# KiCad board hotdoggu_smolSlimeVR.kicad_pcb
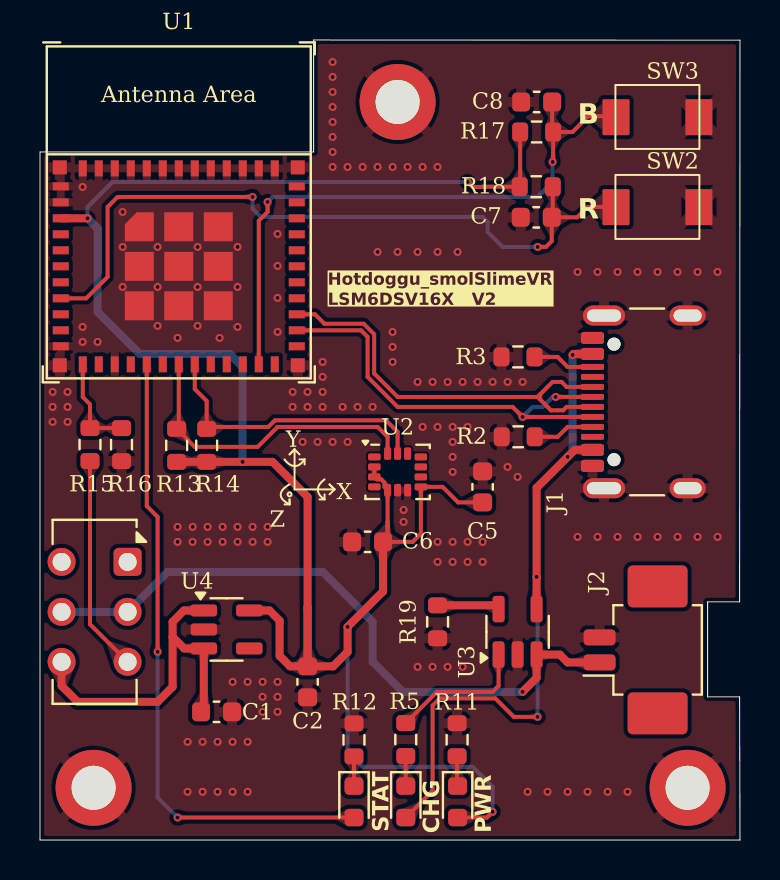
[diagram p0: board, top side]
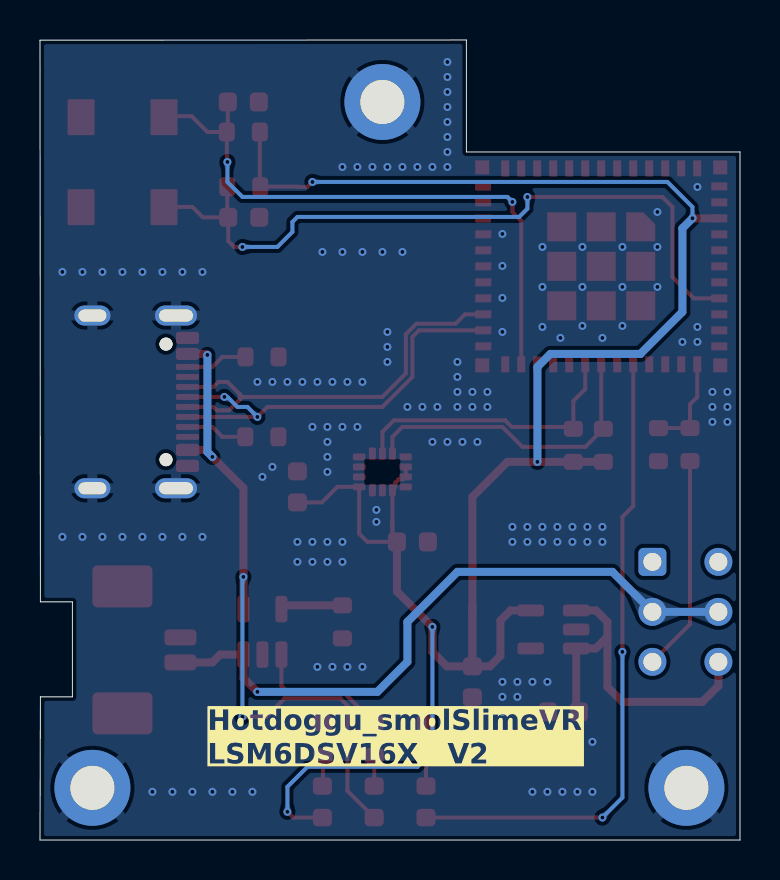
[diagram p1: board, bottom side, seen from below]

Outline 35 x 40.01 mm; copper layers: Top, Bottom. Coordinates in mm from the lower left corner of the outline.
Outline path: 0,0 0,34.41 13.68,34.41 13.68,40.01 35,40 34.98,11.91 33.38,11.91 33.38,7.16 34.98,7.16 35,0 0,0
Stack: Top 0.035mm / dielectric 1.51mm FR4 er 4.5 / Bottom 0.035mm

## Placement (name value [footprint] x y rotation side)
C1  10uF  [C_0603_1608Metric]  8.83 6.41 0 top
C2  10uF  [C_0603_1608Metric]  13.38 7.91 270 top
C5  100nF  [C_0603_1608Metric]  22.13 17.66 270 top
C6  100nF  [C_0603_1608Metric]  16.38 14.91 180 top
C7  100nF  [C_0603_1608Metric]  24.81 31.14 0 top
C8  100nF  [C_0603_1608Metric]  24.83 36.91 0 top
H1  MountingHole  [MountingHole_2.2mm_M2_DIN965_Pad_TopBottom]  2.68 2.61 0 top
H2  MountingHole  [MountingHole_2.2mm_M2_DIN965_Pad_TopBottom]  17.88 36.91 0 top
H3  MountingHole  [MountingHole_2.2mm_M2_DIN965_Pad_TopBottom]  32.38 2.61 0 top
J1  TYPE-C-31-M-12  [USB_C_Receptacle_GCT_USB4105-xx-A_16P_TopMnt_Horizontal]  31.31 21.91 90 top
J2  53261-0271  [Molex_PicoBlade_53261-0271_1x02-1MP_P1.25mm_Horizontal]  30.38 9.51 90 top
LED1  LED,0603,Red  [LED_0603_1608Metric]  20.88 1.91 270 top
LED2  0603,Yellow  [LED_0603_1608Metric]  18.29 1.91 270 top
LED3  0603,White  [LED_0603_1608Metric]  15.7 1.91 270 top
R2  5.1k, 1%  [R_0603_1608Metric]  23.91 20.17 180 top
R3  5.1k, 1%  [R_0603_1608Metric]  23.9 24.16 180 top
R5  5.1k  [R_0603_1608Metric]  18.29 5.02 270 top
R11  1k  [R_0603_1608Metric]  20.85 5.02 90 top
R12  1k  [R_0603_1608Metric]  15.7 5.01 270 top
R13  10k  [R_0603_1608Metric]  6.83 19.74 270 top
R14  10k  [R_0603_1608Metric]  8.33 19.74 270 top
R15  1k, 1%  [R_0603_1608Metric]  2.5 19.78 270 top
R16  1k, 1%  [R_0603_1608Metric]  4.08 19.77 90 top
R17  10k  [R_0603_1608Metric]  24.83 35.41 180 top
R18  10k  [R_0603_1608Metric]  24.81 32.67 180 top
R19  2k  [R_0603_1608Metric]  19.88 10.91 90 top
REF**  -  [IMU_XYZ]  12.73 17.53 0 top
SW1  JS202011CQN  [SW_CK_JS202011CQN_DPDT_Straight]  4.38 13.91 270 top
SW2  -  [TS-1088-AR02016]  30.88 31.66 180 top
SW3  -  [TS-1088-AR02016]  30.88 36.16 180 top
U1  -  [ESP32-C3-MINI-1]  6.94 31.39 0 top
U2  LSM6DSV16X  [LGA-14_3x2.5mm_P0.5mm_LayoutBorder3x4y]  17.88 18.41 0 top
U3  MCP73831-2-OT  [SOT-23-5]  23.88 10.41 90 top
U4  LP5907MFX-3.3  [SOT-23-5]  9.33 10.53 0 top

## Library data of the parts
C1 C2 = -: Description: Unpolarized capacitor, small symbol; LCSC: C96446; ki_fp_filters: C_*
C5-C8 = -: Description: Unpolarized capacitor, small symbol; LCSC: C66501; ki_fp_filters: C_*
H1-H3 = -: Description: Mounting Hole with connection; ki_fp_filters: MountingHole*Pad*
J1 = -: Datasheet: https://www.usb.org/sites/default/files/documents/usb_type-c.zip; Description: USB 2.0-only 16P Type-C Receptacle connector; ki_fp_filters: USB*C*Receptacle*
J2 = -: Description: Generic connector, single row, 01x02, script generated; ki_fp_filters: Connector*:*_1x??_*
LED1 = -: Description: Light emitting diode; Sim.Pins: 1=K 2=A; ki_fp_filters: LED* LED_SMD:* LED_THT:*
LED2 = -: Description: Light emitting diode; Sim.Pins: 1=K 2=A; LCSC: C72038; ki_fp_filters: LED* LED_SMD:* LED_THT:*
LED3 = -: Description: Light emitting diode; Sim.Pins: 1=K 2=A; LCSC: C2290; ki_fp_filters: LED* LED_SMD:* LED_THT:*
R2 R3 R5 = -: Description: Resistor, small symbol; LCSC: C23186; ki_fp_filters: R_*
R11 R12 R15 R16 = -: Description: Resistor, small symbol; LCSC: C21190; ki_fp_filters: R_*
R13 R14 R17 R18 = -: Description: Resistor, small symbol; LCSC: C15401; ki_fp_filters: R_*
R19 = -: Description: Resistor, small symbol; LCSC: C4190; ki_fp_filters: R_*
SW1 = -: Description: Slide Switch, dual pole double throw; LCSC: C221663
SW2 SW3 = -: Description: Push button switch, generic, two pins
U1 = -: Datasheet: https://www.espressif.com/sites/default/files/documentation/esp32-c3-mini-1_datasheet_en.pdf; Description: ESP32-C3-MINI-1 family is an ultra-low-power MCU-based SoC solution that supports 2.4 GHz Wi-Fi and Bluetooth®Low Energy (Bluetooth LE).; LCSC: C2934569
U2 = -: Datasheet: https://wmsc.lcsc.com/wmsc/upload/file/pdf/v2/lcsc/2309061516_STMicroelectronics-LSM6DSV16XTR_C5267406.pdf; Description: I2C/SPI, iNEMO inertial module: always-on 3D accelerometer and 3D gyroscope, with auxiliary SPI, 1.71V to 3.6V VCC; LCSC: C5267406; ki_fp_filters: LGA*3x2.5mm*P0.5mm*LayoutBorder3x4y*
U3 = -: Datasheet: http://ww1.microchip.com/downloads/en/DeviceDoc/20001984g.pdf; Description: Single cell, Li-Ion/Li-Po charge management controller, 4.20V, Tri-State Status Output, in SOT23-5 package; LCSC: C424093; ki_fp_filters: SOT?23*
U4 = -: Datasheet: http://www.ti.com/lit/ds/symlink/lp5907.pdf; Description: 250-mA Ultra-Low-Noise Low-IQ LDO, 3.3V, SOT-23; LCSC: C80670; ki_fp_filters: SOT?23*

## Footprints (pads in the part's own frame, mm; a bottom-side part is the same pattern mirrored in y, then rotated)
C_0603_1608Metric
  rrect 0.9x0.95 smd: 1(-0.775,0) 2(0.775,0)
ESP32-C3-MINI-1
  rect 0.8x0.4 smd: 1(-5.9,1.3) 2(-5.9,0.5) 3(-5.9,-0.3) 4(-5.9,-1.1) 5(-5.9,-1.9) 6(-5.9,-2.7) 7(-5.9,-3.5) 8(-5.9,-4.3) 9(-5.9,-5.1) 10(-5.9,-5.9) 11(-5.9,-6.7) 25(5.9,-6.7) 26(5.9,-5.9) 27(5.9,-5.1) 28(5.9,-4.3) 29(5.9,-3.5) 30(5.9,-2.7) 31(5.9,-1.9) 32(5.9,-1.1) 33(5.9,-0.3) 34(5.9,0.5) 35(5.9,1.3)
  rect 0.4x0.8 smd: 12(-4.8,-7.6) 13(-4,-7.6) 14(-3.2,-7.6) 15(-2.4,-7.6) 16(-1.6,-7.6) 17(-0.8,-7.6) 18(0,-7.6) 19(0.8,-7.6) 20(1.6,-7.6) 21(2.4,-7.6) 22(3.2,-7.6) 23(4,-7.6) 24(4.8,-7.6) 36(4.8,2.2) 37(4,2.2) 38(3.2,2.2) 39(2.4,2.2) 40(1.6,2.2) 41(0.8,2.2) 42(0,2.2) 43(-0.8,2.2) 44(-1.6,2.2) 45(-2.4,2.2) 46(-3.2,2.2) 47(-4,2.2) 48(-4.8,2.2)
  custom 1.45x1.45 smd: 49(-1.975,-0.725)
  rect 1.45x1.45 smd: 49(-1.975,-2.7) 49(-1.975,-4.675) 49(0,-0.725) 49(0,-2.7) 49(0,-4.675) 49(1.975,-0.725) 49(1.975,-2.7) 49(1.975,-4.675)
  rect 0.7x0.7 smd: 50(5.95,2.25) 51(5.95,-7.65) 52(-5.95,-7.65) 53(-5.95,2.25)
LED_0603_1608Metric
  rrect 0.875x0.95 smd: 1(-0.787,0) 2(0.787,0)
LGA-14_3x2.5mm_P0.5mm_LayoutBorder3x4y
  rrect 0.625x0.35 smd: 1(-1.163,0.75) 2(-1.163,0.25) 3(-1.163,-0.25) 4(-1.163,-0.75) 8(1.163,-0.75) 9(1.163,-0.25) 10(1.163,0.25) 11(1.163,0.75)
  rrect 0.35x0.625 smd: 5(-0.5,-0.912) 6(0,-0.912) 7(0.5,-0.912) 12(0.5,0.912) 13(0,0.912) 14(-0.5,0.912)
Molex_PicoBlade_53261-0271_1x02-1MP_P1.25mm_Horizontal
  rrect 0.8x1.6 smd: 1(-0.625,2.4) 2(0.625,2.4)
  rrect 2.1x3 smd: MP(-3.175,-0.5) MP(3.175,-0.5)
MountingHole_2.2mm_M2_DIN965_Pad_TopBottom
  round 2.6 hole 2.2: 1(0,0)
  round 3.8 smd: 1(0,0)
  round 3.8 smd far side: 1(0,0)
R_0603_1608Metric
  rrect 0.8x0.95 smd: 1(-0.825,0) 2(0.825,0)
SOT-23-5
  rrect 1.325x0.6 smd: 1(-1.137,0.95) 2(-1.137,0) 3(-1.137,-0.95) 4(1.137,-0.95) 5(1.137,0.95)
SW_CK_JS202011CQN_DPDT_Straight
  rrect 1.4x1.4 hole 0.9: 1(0,0)
  round 1.4 hole 0.9: 2(2.5,0) 3(5,0) 4(5,-3.3) 5(2.5,-3.3) 6(0,-3.3)
TS-1088-AR02016
  rrect 1.35x1.8 smd: 1(-2.065,0.01) 2(2.08,0.01)
USB_C_Receptacle_GCT_USB4105-xx-A_16P_TopMnt_Horizontal
  round 0.65 hole 0.65 unplated: (-2.89,2.605) (2.89,2.605)
  rrect 0.6x1.15 smd: A1(-3.2,3.68) A4(-2.4,3.68) A9(2.4,3.68) A12(3.2,3.68) B1(3.2,3.68) B4(2.4,3.68) B9(-2.4,3.68) B12(-3.2,3.68)
  rrect 0.3x1.15 smd: A5(-1.25,3.68) A6(-0.25,3.68) A7(0.25,3.68) A8(1.25,3.68) B5(1.75,3.68) B6(0.75,3.68) B7(-0.75,3.68) B8(-1.75,3.68)
  oval 1x2.1 hole 0.6x1.7: S1(-4.32,3.105) S1(4.32,3.105)
  oval 1x1.8 hole 0.6x1.4: S1(-4.32,-1.075) S1(4.32,-1.075)

## Nets
+3V3: C2.1 C5.2 C6.1 LED1.2 R13.2 R14.2 R17.2 R18.2 U1.3 U2.2 U2.3 U2.5 U2.8 U4.5
/VBAT: J2.1 SW1.2 SW1.5 U3.3
/VBATSW: R15.2 SW1.3
/VIN: C1.1 SW1.4 U4.1 U4.3
GND: C1.2 C2.2 C5.1 C6.2 C7.1 C8.1 H1.1 H2.1 H3.1 J1.A1 J1.A12 J1.B1 J1.B12 J1.S1 J2.2 R2.2 R3.2 R11.2 R12.1 R16.1 R19.1 SW2.1 SW3.1 U1.1 U1.2 U1.11 U1.14 U1.36 U1.37 U1.38 U1.39 U1.40 U1.41 U1.42 U1.43 U1.44 U1.45 U1.46 U1.47 U1.48 U1.49 U1.50 U1.51 U1.52 U1.53 U2.6 U2.7 U3.2 U4.2
/BATT_SENSE: R15.1 R16.2 U1.12
/BATT_STAT: R5.1 U3.1
/SCL: R14.1 U1.19 U2.13
/SDA: R13.1 U1.18 U2.14
/STAT: LED3.2 U1.16
/USB_D+: J1.A6 J1.B6 U1.27
/USB_D-: J1.A7 J1.B7 U1.26
/VUSB: J1.A4 J1.A9 J1.B4 J1.B9 LED2.2 U3.4
/~{BOOT}: C8.2 R17.1 SW3.2 U1.23
/~{RESET}: C7.2 R18.1 SW2.2 U1.8
Net-(J1-CC1): J1.A5 R2.1
Net-(J1-CC2): J1.B5 R3.1
Net-(LED1-K): LED1.1 R11.1
Net-(LED2-K): LED2.1 R5.2
Net-(LED3-K): LED3.1 R12.2
Net-(U3-PROG): R19.2 U3.5

Pads without a net: J1 A8 B8; J2 MP; SW1 1 6; U1 4 5 6 7 9 10 13 15 17 20 21 22 24 25 28 29 30 31 32 33 34 35; U2 1 4 9 10 11 12; U4 4

## Via types
v1: diameter 0.4, hole 0.2, Top to Bottom, 169 vias

## Routing (per net, layer and track width the routed paths; a pad name or vN(x,y) marks a point on that pad's centre or on a via; arc(x,y) is an arc through that point)
+3V3: length 107.7
  Top w0.2: 17.38,15.91 U2.5 17.23,17.65 17.23,17.87 17.06,18.04 16.84,18.04 U2.3 U2.2 ; 17.38,15.91 17.38,15.13 C6.1 ; 17.38,15.91 17.38,15.66 ; 17.38,15.91 17.38,15.41 ; R17.2 24.01,32.69 R18.2 22.12,32.67 22.1,32.66 21.63,32.66 v1(21.38,32.91) ; 17.13,14.94 C6.1 ; C6.1 18.63,14.91 19.04,15.32 U2.8 20.13,17.66 20.91,16.88 C5.2 ; v1(22.63,1.41) 22.34,1.12 LED1.2
  Top w0.4: 13.38,11.66 13.38,17.16 11.63,18.91 v1(10.13,18.91) R14.2 R13.2 ; 13.38,11.66 C2.1 ; 13.38,11.66 C2.1 ; C2.1 12.5,8.69 11.98,9.21 11.98,10.97 11.47,11.48 U4.5 ; C2.1 14.66,8.69 15.38,9.41 v1(15.38,10.66) 17.16,12.44 C6.1 ; C2.1 13.38,8.91 ; v1(2.38,31.09) 2.37,31.09 U1.3
  Bottom w0.2: v1(22.63,1.41) 22.63,2.66 21.63,3.66 16.13,3.66 15.38,4.41 v1(15.38,10.66) ; v1(21.38,32.91) 3.63,32.91 2.38,31.66 v1(2.38,31.09)
  Bottom w0.4: v1(10.13,18.91) 10.13,23.66 9.48,24.31 4.98,24.31 2.88,26.41 2.88,30.59 v1(2.38,31.09)
/VBAT: length 33
  Top w0.4: J2.1 26.38,8.88 25.99,9.27 U3.3 24.83,8.11 v1(24.13,7.41)
  Bottom w0.4: SW1.5 SW1.2 6.38,13.41 14.13,13.41 16.63,10.91 16.63,8.91 18.13,7.41 v1(24.13,7.41)
/VBATSW: length 10.8
  Top w0.2: R15.2 2.5,10.79 SW1.3
/VIN: length 17.5
  Top w0.4: U4.3 7.21,9.58 6.63,10.16 ; U4.3 8.16,9.55 ; U4.3 8.19,6.55 C1.1 ; 6.63,10.16 6.63,10.91 7.2,11.48 U4.1 ; 6.63,10.16 6.63,7.66 5.88,6.91 1.88,6.91 1.08,7.71 SW1.4
GND: length 0.2
  Top w0.2: J1.A12 27.78,25.11 ; 28.18,26.21 J1.S1
  vias: v1(0.63,22.41) v1(0.63,21.66) v1(0.63,20.91) v1(1.38,22.41) v1(1.38,21.66) v1(1.38,20.91) v1(2.13,32.66) v1(2.13,25.66) v1(2.13,24.91) v1(2.88,24.91) v1(4.13,31.41) v1(4.13,29.66) v1(4.13,27.66) v1(5.88,29.66) v1(5.88,27.66) v1(5.88,25.71) v1(6.88,25.11) v1(6.88,15.66) v1(6.88,14.91) v1(7.38,4.91) v1(7.38,2.41) v1(7.63,15.66) v1(7.63,14.91) v1(7.88,29.66) v1(7.88,27.66) v1(7.88,25.71) v1(8.13,4.91) v1(8.13,2.41) v1(8.38,15.66) v1(8.38,14.91) v1(8.88,4.91) v1(8.88,2.41) v1(8.98,25.11) v1(9.13,15.66) v1(9.13,14.91) v1(9.63,7.91) v1(9.63,4.91) v1(9.63,2.41) v1(9.88,29.66) v1(9.88,27.66) v1(9.88,25.66) v1(9.88,15.66) v1(9.88,14.91) v1(10.38,7.91) v1(10.38,4.91) v1(10.38,2.41) v1(10.63,15.66) v1(10.63,14.91) v1(11.13,7.91) v1(11.13,7.16) v1(11.13,6.41) v1(11.38,15.66) v1(11.38,14.91) v1(11.88,30.31) v1(11.88,28.71) v1(11.88,27.11) v1(11.88,25.41) v1(11.88,7.91) v1(11.88,7.16) v1(11.88,6.41) v1(12.63,22.41) v1(12.63,21.66) v1(13.13,19.91) v1(13.38,22.41) v1(13.38,21.66) v1(13.88,19.91) v1(14.13,23.91) v1(14.13,23.16) v1(14.13,22.41) v1(14.13,21.66) v1(14.63,38.91) v1(14.63,38.16) v1(14.63,37.41) v1(14.63,36.66) v1(14.63,35.91) v1(14.63,35.16) v1(14.63,34.41) v1(14.63,33.66) v1(14.63,19.91) v1(15.13,21.66) v1(15.38,33.66) v1(15.38,19.91) v1(15.88,21.66) v1(16.13,33.66) v1(16.63,21.66) v1(16.88,33.66) v1(16.88,29.41) v1(17.63,33.66) v1(17.63,25.41) v1(17.63,24.66) v1(17.63,23.91) v1(17.88,29.41) v1(18.18,16.51) v1(18.18,15.91) v1(18.38,33.66) v1(18.88,29.41) v1(18.88,22.91) v1(18.88,8.66) v1(19.13,33.66) v1(19.13,20.66) v1(19.63,22.91) v1(19.63,8.66) v1(19.88,33.66) v1(19.88,29.41) v1(19.88,20.66) v1(19.88,14.91) v1(19.88,13.91) v1(20.38,22.91) v1(20.38,8.66) v1(20.63,20.66) v1(20.63,19.91) v1(20.63,19.16) v1(20.63,18.41) v1(20.63,14.91) v1(20.63,13.91) v1(20.88,29.41) v1(21.13,22.91) v1(21.13,8.66) v1(21.38,20.66) v1(21.38,14.91) v1(21.38,13.91) v1(21.88,22.91) v1(22.13,14.91) v1(22.13,13.91) v1(22.63,22.91) v1(23.38,22.91) v1(23.38,18.66) v1(23.88,18.16) v1(24.13,22.91) v1(24.38,2.41) v1(25.38,2.41) v1(26.38,2.41) v1(26.88,28.41) v1(26.88,15.16) v1(27.38,2.41) v1(27.88,28.41) v1(27.88,15.16) v1(28.38,2.41) v1(28.88,28.41) v1(28.88,15.16) v1(29.38,2.41) v1(29.88,28.41) v1(29.88,15.16) v1(30.88,28.41) v1(30.88,15.16) v1(31.88,28.41) v1(31.88,15.16) v1(32.88,28.41) v1(32.88,15.16) v1(33.88,28.41) v1(33.88,15.16)
/BATT_SENSE: length 5.1
  Top w0.2: R15.1 2.5,21.79 2.14,22.15 U1.12 ; R15.1 4.07,20.6 R16.2 ; R15.1 2.38,20.72
/BATT_STAT: length 7
  Top w0.2: R5.1 19.85,7.41 22.63,7.41 22.93,7.71 U3.1
/SCL: length 14.4
  Top w0.2: 17.88,19.4 17.88,20.41 17.3,20.99 11.74,20.99 11.42,20.66 8.43,20.66 R14.1 8.33,21.96 7.74,22.55 U1.19
/SDA: length 15.6
  Top w0.2: 17.38,19.4 17.38,20.16 16.88,20.66 11.88,20.66 10.88,19.66 7.74,19.66 R13.1 6.94,20.67 U1.18
/STAT: length 32.1
  Top w0.2: v1(6.88,1.12) LED3.2 ; v1(5.88,9.41) 5.88,16.16 5.34,16.7 U1.16
  Bottom w0.2: v1(5.88,9.41) 5.88,2.12 v1(6.88,1.12)
/USB_D+: length 21.4
  Top w0.2: J1.B6 26.33,22.66 26.08,22.91 25.63,22.91 25.38,22.66 25,22.28 ; 24.88,22.16 25,22.03 ; 24.88,22.16 17.88,22.16 16.71,23.33 16.71,25.3 16.19,25.82 14.22,25.82 13.75,26.29 U1.27 ; 24.88,22.16 25,22.28 ; 25,22.03 25.38,21.66 25.55,21.49 26.16,21.49 26.33,21.66 J1.A6 ; 25,22.03 25,22.28
/USB_D-: length 21.7
  Top w0.2: J1.B7 v1(24.13,21.16) 23.63,21.66 17.88,21.66 16.38,23.16 16.38,25.16 16.05,25.49 U1.26 ; J1.A7 v1(25.78,22.16)
  Bottom w0.2: v1(25.78,22.16) 25.63,22.16 25.13,21.66 24.63,21.66 v1(24.13,21.16)
/VUSB: length 34.8
  Top w0.2: LED2.2 19.63,2.46 19.63,6.73 19.98,7.08 22.77,7.08 23.69,6.16 v1(24.88,6.16)
  Top w0.4: J1.A9 26.68,24.31 v1(26.63,24.26) ; U3.4 v1(24.83,13.16) 24.83,17.61 v1(26.38,19.16) 26.73,19.51 J1.A4
  Bottom w0.2: v1(24.88,6.16) 24.88,13.11 v1(24.83,13.16)
  Bottom w0.4: v1(26.38,19.16) 26.63,19.41 v1(26.63,24.26)
/~{BOOT}: length 30.5
  Top w0.2: 28.8,36.2 27.42,36.2 26.63,35.41 R17.1 ; R17.1 25.61,35.46 C8.2 ; R17.1 25.66,33.94 v1(25.63,33.91) ; U1.23 10.94,30.97 11.38,31.41 v1(11.38,31.91)
  Bottom w0.2: v1(25.63,33.91) 25.63,32.91 24.88,32.16 11.63,32.16 v1(11.38,31.91)
/~{RESET}: length 36.7
  Top w0.2: C7.2 25.64,31.19 R18.1 ; C7.2 25.59,29.95 25.29,29.66 v1(24.88,29.66) ; C7.2 26.86,31.14 27.38,31.66 28.79,31.66 SW2.2 ; U1.8 2.31,27.09 3.38,28.16 3.38,31.66 3.88,32.16 v1(10.63,32.16)
  Bottom w0.2: v1(24.88,29.66) 23.13,29.66 22.38,30.41 22.38,30.91 22.13,31.16 11.04,31.16 10.63,31.57 v1(10.63,32.16)
Net-(J1-CC1): length 3.1
  Top w0.2: J1.A5 26.38,20.66 25.88,20.16 25.87,20.17 R2.1
Net-(J1-CC2): length 3.1
  Top w0.2: J1.B5 26.38,23.66 25.88,24.16 R3.1
Net-(LED1-K): length 1.5
  Top w0.2: LED1.1 20.85,2.72 R11.1
Net-(LED2-K): length 1.5
  Top w0.2: LED2.1 18.29,2.7 R5.2
Net-(LED3-K): length 1.5
  Top w0.2: LED3.1 15.7,2.7 R12.2
Net-(U3-PROG): length 3.1
  Top w0.4: U3.5 22.74,11.73 R19.2

## Copper pours and planes (outline as drawn; the poured copper is in the pictures)
GND on Top, Bottom: -0.02,40.01 34.98,40.01 34.98,0.01 -0.02,0.01

Small or netless copper shapes (teardrops, artwork), in the pictures only: 97 on Top, 17 on Bottom

## Text on the board
B.Silkscreen: Hotdoggu_smolSlimeVR / LSM6DSV16X   V2
F.Silkscreen: Hotdoggu_smolSlimeVR / LSM6DSV16X   V2 | STAT | CHG | PWR | B | R
